# Altium PCB 11BRANMB10H_20170919.pcbdoc (part 1 of 7) (continued)
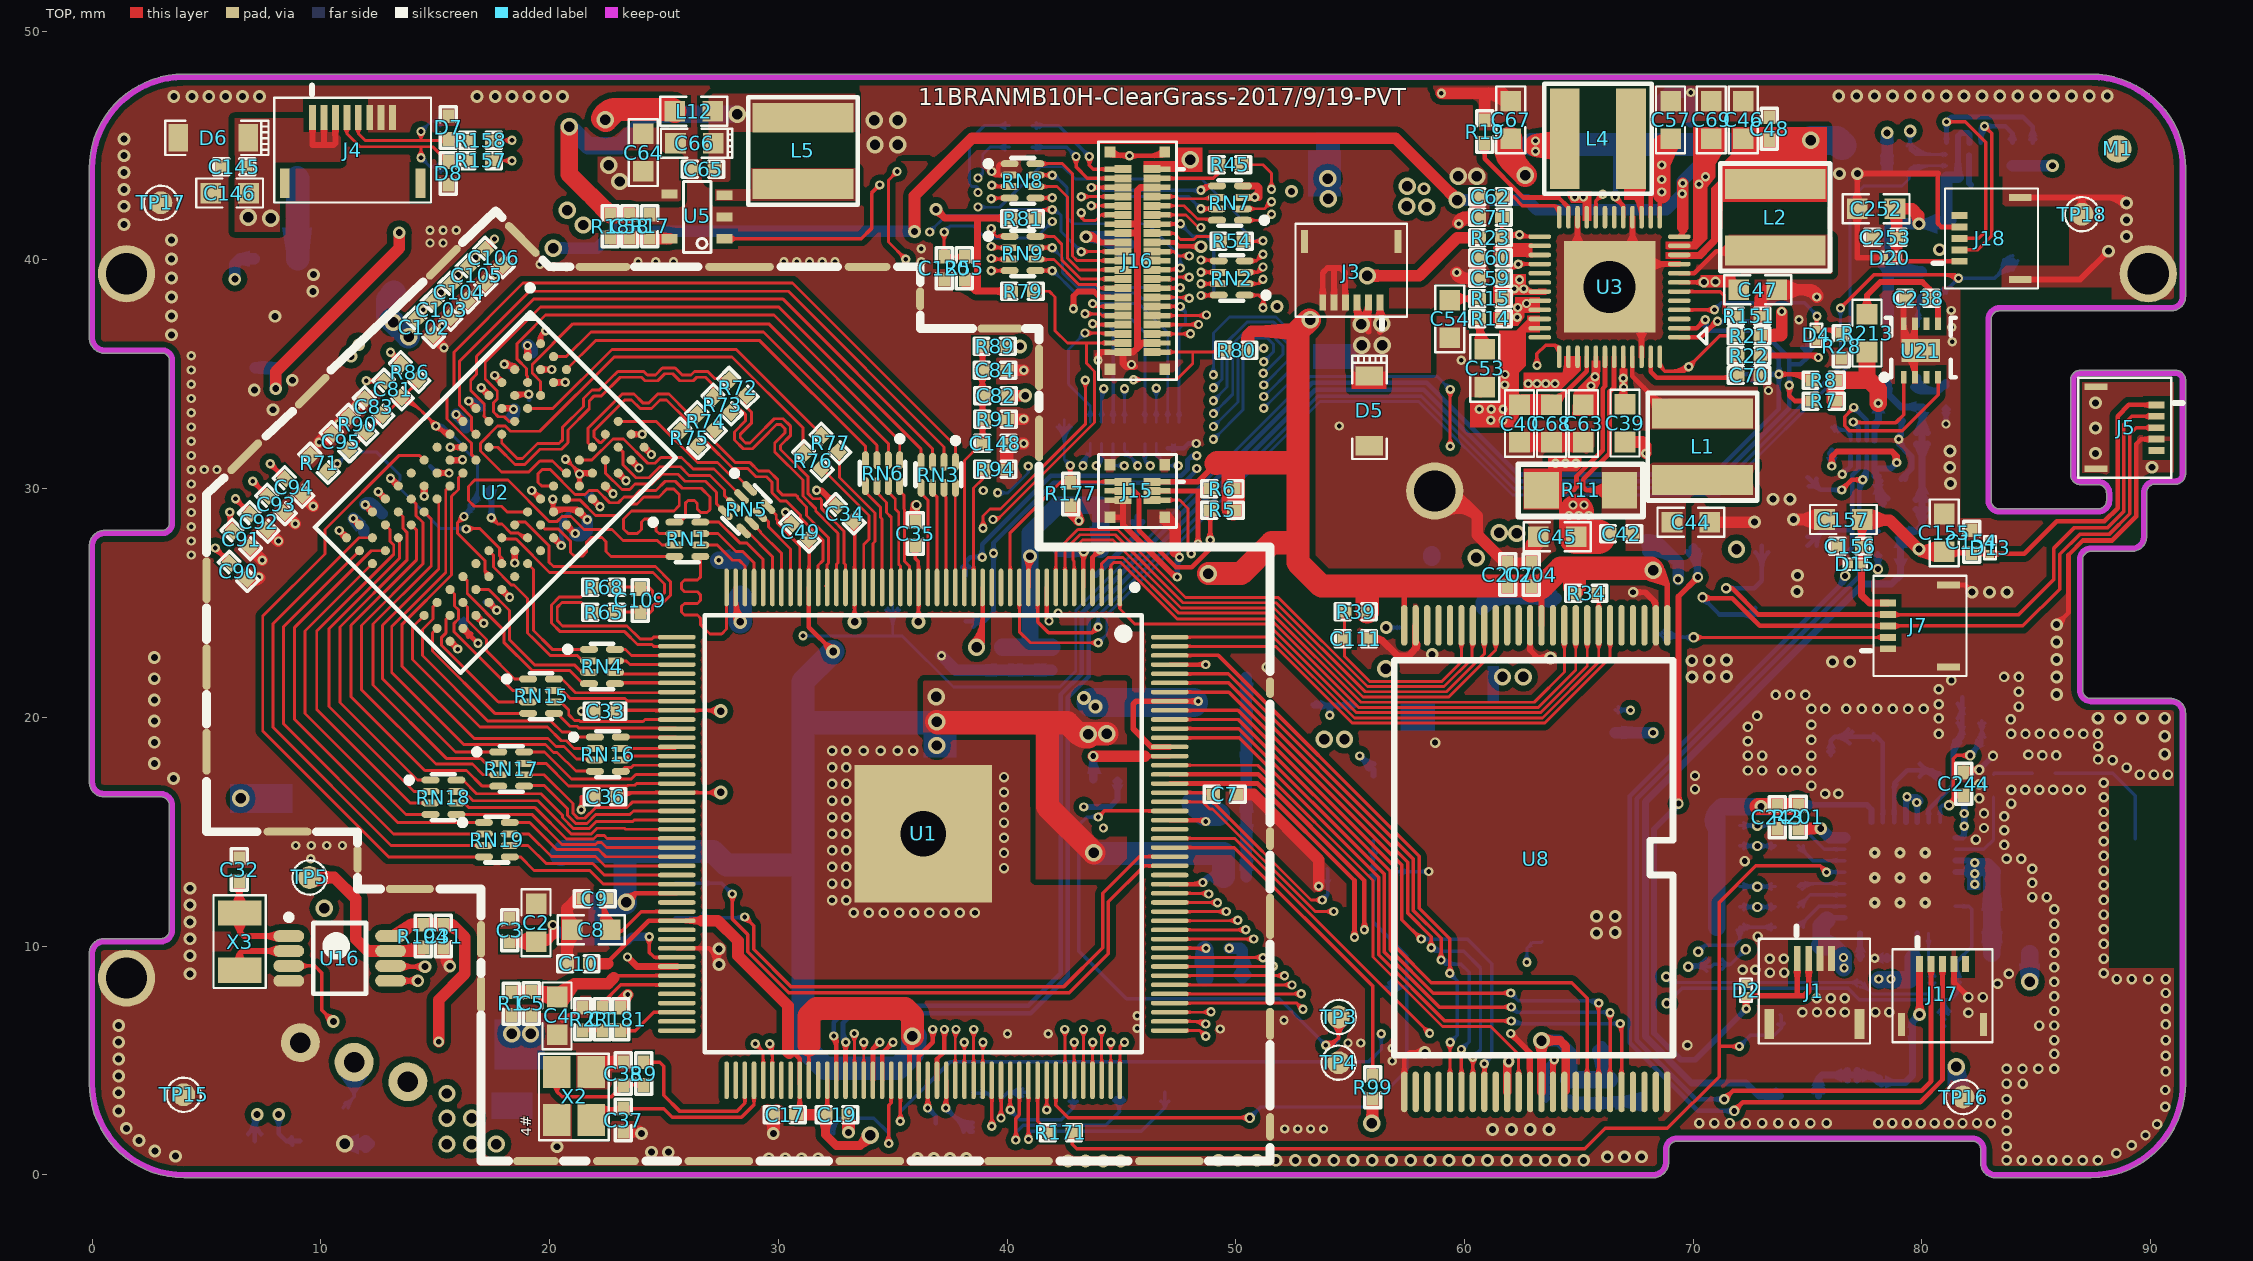
[diagram p0: TOP view]
## Components (designator, comment, footprint, x,y, rotation, side; value= is the part's Value field where it differs from the comment) (continued)
R21 "47K" R_0402 72.439,36.683 r0 top
R22 "1K" R_0402 72.439,35.817 r0 top
R23 "47K" R_0402 61.136,40.978 r180 top
R28 "510R" R_0402 76.47,36.22 r270 top
R32 "NC/0R-1%" R_0402 64.057,4.148 r180 bottom
R34 "10K" R_0402 65.327,25.421 r0 top
R35 "NC/0R-1%" R_0402 64.057,3.259 r0 bottom
R39 "10K" R_0402 55.253,24.608 r180 top
R44 "33R" R_0402 40.601,45.872 r180 bottom
R45 "33R" R_0402 49.746,44.164 r0 top
R46 "33R" R_0402 40.601,44.933 r180 bottom
R50 "5R-1%" R_0402 60.794,24.155 r90 bottom
R54 "33R" R0402 49.822,40.811 r0 top
R55 "10K" R_0402 38.138,39.643 r270 top
R65 "24R-1%" R_0402 22.355,24.604 r180 top
R68 "24R-1%" R_0402 22.355,25.696 r180 top
R71 "240R-1%" R_0402 9.919,31.113 r315 top
R72 "24R-1%" R_0402 28.233,34.415 r135 top
R73 "24R-1%" R_0402 27.547,33.678 r135 top
R74 "24R-1%" R_0402 26.836,32.916 r135 top
R75 "24R-1%" R_0402 26.099,32.205 r135 top
R76 "24R-1%" R_0402 31.509,31.215 r135 top
R77 "24R-1%" R_0402 32.271,31.977 r135 top
R79 "10K" R_0402 40.678,38.633 r0 top
R80 "10K" R_0402 50.025,36.061 r180 top
R81 "10K" R_0402 40.678,41.808 r0 top
R86 "2K-1%" R_0402 13.882,35.101 r135 top
R89 "2K-1%" R_0402 39.458,36.227 r0 top
R90 "2K-1%" R_0402 11.596,32.815 r315 top
R91 "2K-1%" R_0402 39.494,33.042 r180 top
R94 "240R-1%" R_0402 39.485,30.859 r180 top
R99 "10K" R_0402 55.98,3.831 r270 top
R129 "10K" R_0402 78.981,43.942 r0 bottom
R130 "10K" R_0402 78.981,44.852 r0 bottom
R131 "10K" R_0402 66.597,19.833 r90 bottom
R151 "0R" R_0402 72.439,37.549 r180 top
R155 "12K-1%" R_0402 82.118,20.701 r180 bottom
R156 "0R-1%" R_0402 83.134,16.916 r90 bottom
R157 "0R" R_0402 16.98,44.342 r0 top
R158 "0R" R_0402 16.98,45.231 r0 top
R160 "0R-1%" R_0603' 89.8,10.4 r270 bottom
R168 "200R-1%" R_0402 74.09,10.828 r0 bottom
R169 "200R-1%" R_0402 74.09,11.717 r0 bottom
R170 "200R-1%" R_0402 74.09,12.606 r0 bottom
R171 "200R-1%" R_0402 42.354,1.829 r0 top
R172 "200R-1%" R_0402 74.09,14.384 r0 bottom
R173 "200R-1%" R_0402 74.215,15.279 r0 bottom
R176 "0R-1%" R_0603 83.883,9.677 r180 bottom
R177 "1K-1%" R_0402 42.786,29.769 r270 top
R178 "NC/100R-1%" R_0402 11.454,2.771 r160 bottom
R179 "10K-1%" R_0402 71.539,12.606 r0 bottom
R180 "100K-1%" R_0402 82.054,8.534 r0 bottom
R181 "100K" R_0402 23.105,6.807 r90 top
R188 "200K-1%" R_0402 52.895,20.549 r0 bottom
R189 "1.8M-1%" R_0402 55.664,20.523 r0 bottom
R190 "100K-1%" R_0402 56.553,13.229 r0 bottom
R194 "10K" R_0402 14.465,10.439 r90 top
R195 "0R-1%" R_0603 79.133,29.312 r0 bottom
R196 "10K-1%" R_0402 78.6,28.143 r180 bottom
R197 "10K-1%" R_0402 78.574,27.178 r180 bottom
R198 "0R-1%" R_0603 74.651,3.454 r180 bottom
R199 "10K-1%" R_0402 79.971,38.989 r270 bottom
R200 "0R-1%" R_0402 79.946,8.534 r0 bottom
R201 "0R-1%" R_0402 74.587,15.646 r270 top
R202 "20K-1%" R_0402 82.118,19.863 r180 bottom
R203 "0R-1%" R_0402 77.304,8.941 r90 bottom
R204 "0R-1%" R_0402 74.22,16.159 r180 bottom
R205 "10K-1%" R_0402 71.538,15.273 r180 bottom
R206 "10K-1%" R_0402 71.538,14.384 r180 bottom
R207 "10K-1%" R_0402 71.538,11.717 r180 bottom
R208 "10K-1%" R_0402 71.538,10.828 r180 bottom
R209 "10K-1%" R_0402 76.06,32.182 r270 bottom
R210 "100K-1%" R_0402 80.886,38.989 r90 bottom
R213 "0R-1%" R_0603 77.6,36.8 r90 top
RN1 "24R*4" RCA50-8/3 26.023,27.786 r0 top
RN2 "100R*4" RCA50-8/3 49.822,39.211 r180 top
RN3 "24R*4" RCA50-8/3 36.996,30.605 r270 top
RN4 "33R*4" RCA50-8/3 22.289,22.223 r0 top
RN5 "24R*4" RCA50-8/3 28.614,29.081 r315 top
RN6 "24R*4" RCA50-8/3 34.557,30.681 r270 top
RN7 "100R*4" RCA50-8/3 49.746,42.488 r180 top
RN8 "100R*4" RCA50-8/3 40.678,43.459 r0 top
RN9 "100R*4" RCA50-8/3 40.678,40.284 r0 top
RN10 "100R*4" RCA50-8/3 46.774,32.339 r90 bottom
RN11 "100R*4" RCA50-8/3 44.386,32.339 r90 bottom
RN15 "33R*4" RCA50-8/3 19.622,20.928 r0 top
RN16 "33R*4" RCA50-8/3 22.545,18.391 r0 top
RN17 "33R*4" RCA50-8/3 18.317,17.742 r0 top
RN18 "33R*4" RCA50-8/3 15.355,16.508 r0 top
RN19 "33R*4" RCA50-8/3 17.692,14.654 r0 top
TP2 "Test Point" TESTPOINT1 84,40 r270 bottom
TP3 "Test Point" TESTPOINT1 54.5,6.9 r90 top
TP4 "Test Point" TESTPOINT1 54.5,4.9 r90 top
TP5 "32K" TESTPOINT2 9.5,13 r90 top
TP6 "Test Point" TESTPOINT2 75,36.5 r270 bottom
TP7 "Test Point" TESTPOINT2 72.3,35 r90 bottom
TP8 "Test Point" TESTPOINT2 76.5,44.977 r90 bottom
TP9 "Test Point" TESTPOINT2 20.5,14 r90 bottom
TP10 "Test Point" TESTPOINT2 18.63,2.997 r90 bottom
TP11 "Test Point" TESTPOINT2 73,45 r90 bottom
TP12 "Test Point" TESTPOINT2 78.5,40 r90 bottom
TP13 "Test Point" TESTPOINT2 63.7,28.2 r90 bottom
TP14 "Test Point" TESTPOINT2 56.5,8.2 r270 bottom
TP15 "Test Point" TESTPOINT2 4,3.5 r90 top
TP16 "Test Point" TESTPOINT2 81.8,3.4 r90 top
TP17 "Test Point" TESTPOINT2 3,42.5 r270 top
TP18 "Test Point" TESTPOINT2 87,42 r270 top
TP19 "Test Point" TESTPOINT2 4,7.677 r90 bottom
TP20 "Test Point" TESTPOINT2 79.8,3.4 r90 bottom
TP21 "Test Point" TESTPOINT2 3,44.5 r90 bottom
TP22 "Test Point" TESTPOINT2 87,40 r270 bottom
TP23 "Test Point" TESTPOINT2 66,5.6 r270 bottom
TP24 "Test Point" TESTPOINT2 67.9,3.2 r270 bottom
TP25 "Test Point" TESTPOINT2 45.148,40.513 r90 bottom
TP26 "Test Point" TESTPOINT2 35,25 r270 bottom
TP27 "Test Point" TESTPOINT2 64,25.2 r270 bottom
TP28 "Test Point" TESTPOINT2 38.2,26.2 r270 bottom
TP29 "Test Point" TESTPOINT2 38.2,24.2 r270 bottom
TP30 "Test Point" TESTPOINT2 42.5,33 r270 bottom
TP31 "Test Point" TESTPOINT2 70,27.5 r270 bottom
TP32 "Test Point" TESTPOINT2 54,35.8 r270 bottom
TP33 "Test Point" TESTPOINT2 54,45 r270 bottom
TP34 "Test Point" TESTPOINT2 58,20 r270 bottom
TP35 "Test Point" TESTPOINT2 73,24.5 r270 bottom
TP36 "Test Point" TESTPOINT2 73,27.5 r90 bottom
TP37 "Test Point" TESTPOINT2 63.4,10.2 r90 bottom
TP38 "Test Point" TESTPOINT1 44.9,3.6 r90 bottom
TP39 "Test Point" TESTPOINT1 42.9,3.6 r90 bottom
TP40 "Test Point" TESTPOINT1 40.9,3.6 r90 bottom
TP41 "Test Point" TESTPOINT1 38.5,3.6 r90 bottom
TP42 "Test Point" TESTPOINT1 46.9,3.6 r90 bottom
TP43 "Test Point" TESTPOINT1 73.8,7 r90 bottom
TP44 "Test Point" TESTPOINT1 81,6.8 r90 bottom
TP45 "Test Point" TESTPOINT1 70.9,9.2 r90 bottom
TP46 "Test Point" TESTPOINT2 80,32.2 r90 bottom
TP47 "Test Point" TESTPOINT2 75,30.5 r90 bottom
TP48 "Test Point" TESTPOINT2 75,27.5 r270 bottom
TP49 "Test Point" TESTPOINT2 8,16.5 r270 bottom
TP50 "Test Point" TESTPOINT2 68,27.5 r270 bottom
TP51 "Test Point" TESTPOINT2 81.8,3.4 r90 bottom
TP52 "Test Point" TESTPOINT2 15.6,44.077 r270 bottom
TP53 "Test Point" TESTPOINT2 15.6,46.077 r270 bottom
TP54 "Test Point" TESTPOINT2 7.1,1.5 r270 bottom
TP55 "Test Point" TESTPOINT2 9.1,1.5 r270 bottom
TP56 "Test Point" TESTPOINT2 5.1,1.5 r270 bottom
TP57 "Test Point" TESTPOINT1 54.5,6.9 r270 bottom
TP85 "Test Point" TESTPOINT2 36.5,1.877 r270 bottom
TP86 "Test Point" TESTPOINT2 68.5,23.6 r270 bottom
TP87 "Test Point" TESTPOINT2 32,1.777 r270 bottom
TP88 "Test Point" TESTPOINT2 54,13.377 r270 bottom
TP89 "Test Point" TESTPOINT2 38.5,1.877 r270 bottom
U1 "R8" TQFP177P0_4 36.335,14.908 r270 top locked
U2 "DDR3-FBGA96" FBGA96C80P9X13 17.625,29.834 r315 top locked
U3 "AXP209" QFN48_6X6 66.343,38.819 r180 top locked
U4 "AP3410/SY8088" SOT-23-5 8.039,40.049 r270 bottom
U5 "AP3410/SY8088" SOT-23-5 27.648,41.878 r180 top
U7 "ESP8089" QFN32 79.043,12.987 r180 bottom locked
U8 "NAND FLASH X8" SSOP48 68.867,24.024 r270 top locked
U9 "SGM3756" TDFN-2*2-6L 58.381,23.927 r270 bottom
U10 "LIS2DH12" LGA-12 81.826,44.369 r270 bottom
U15 "SGM65501-ADJ" TSOT-23-6 56.97,16.03 r90 bottom
U16 "PCF8563/AT8563S" SO8N 10.819,9.46 r0 top
U19 "MAX8891EXK18+T" SC70 79.184,35.982 r270 bottom
U20 "TXS0102DQER" DQE 77.406,31.775 r180 bottom
U21 "STS30" DFN 79.952,36.041 r0 top
X1 "NC-XTAL3225-26M" XTAL/3225 79.4,17.702 r180 bottom
X2 "24M-18pF-3225-10PPM" XTAL/3225 21.817,2.395 r90 top
X3 "32.768K/12.5pF/±10ppm" 3215 6.45,10.197 r90 top

## Footprints (in the part's own frame and the unit in brackets; to place one, negate y for a bottom-side part, rotate by r counter-clockwise, add the part's x,y. Pads: shape width x height; smd on the part's side, far side on the other; paste and mask are expansions set on the pad)
0201#1 [mm]
  rect 0.35x0.35 smd: 1(-0.265,0) 2(0.265,0)
  silkscreen extent -0.51,-0.25 0.51,0.25, body extent -0.39,-0.25 0.39,0.25, height 0.3
0201#2 [mm]
  rect 0.23x0.3 smd: 1(-0.177,0) 2(0.178,0)
  silkscreen extent -0.46,-0.25 0.38,0.25
3215 [mm]
  rect 1.1x1.9 smd: 1(-1.25,0) 2(1.25,0)
  silkscreen extent -2.03,-1.14 2.03,1.14, body extent -1.9,-1.05 1.9,1.05, height 0.8
3216 [mm]
  rect 0.8x0.65 smd: 1(-1.7,-0.475) 3(-1.7,0.475)
  rect 0.8x1.6 smd: 2(1.7,0)
  rect 0.4x0.8 smd: 3(-1.5,0)
  silkscreen extent -2.54,-1.02 2.29,1.02, body extent -1.72,-0.85 1.72,0.85, height 0.7
503304-4240 [mm]
  rect 0.35x0.73 smd: 1(-4,0.635) 2(-4,-0.635) 3(-3.6,0.635) 4(-3.6,-0.635) 5(-3.2,0.635) 6(-3.2,-0.635) 7(-2.8,0.635) 8(-2.8,-0.635) 9(-2.4,0.635) 10(-2.4,-0.635) 11(-2,0.635) 12(-2,-0.635) 13(-1.6,0.635) 14(-1.6,-0.635) 15(-1.2,0.635) 16(-1.2,-0.635) 17(-0.8,0.635) 18(-0.8,-0.635) 19(-0.4,0.635) 20(-0.4,-0.635) 21(0,0.635) 22(0,-0.635) 23(0.4,0.635) 24(0.4,-0.635) 25(0.8,0.635) 26(0.8,-0.635) 27(1.2,0.635) 28(1.2,-0.635) 29(1.6,0.635) 30(1.6,-0.635) 31(2,0.635) 32(2,-0.635) 33(2.4,0.635) 34(2.4,-0.635) 35(2.8,0.635) 36(2.8,-0.635) 37(3.2,0.635) 38(3.2,-0.635) 39(3.6,0.635) 40(3.6,-0.635) 41(4,0.635) 42(4,-0.635)
  rect 0.24x0.45 smd paste+0: 1(-4,1.225) 3(-3.6,1.225) 5(-3.2,1.225) 7(-2.8,1.225) 8(-2.8,-1.225) 9(-2.4,1.225) 10(-2.4,-1.225) 11(-2,1.225) 12(-2,-1.225) 13(-1.6,1.225) 14(-1.6,-1.225) 15(-1.2,1.225) 16(-1.2,-1.225) 17(-0.8,1.225) 18(-0.8,-1.225) 19(-0.4,1.225) 20(-0.4,-1.225) 21(0,1.225) 22(0,-1.225) 23(0.4,1.225) 24(0.4,-1.225) 25(0.8,1.225) 26(0.8,-1.225) 27(1.2,1.225) 28(1.2,-1.225) 29(1.6,1.225) 30(1.6,-1.225) 31(2,1.225) 32(2,-1.225) 33(2.4,1.225) 34(2.4,-1.225) 35(2.8,1.225) 36(2.8,-1.225) 37(3.2,1.225) 38(3.2,-1.225) 39(3.6,1.225) 40(3.6,-1.225) 41(4,1.225) 42(4,-1.225)
  rect 0.24x0.45 smd: 2(-4,-1.225) 4(-3.6,-1.225) 6(-3.2,-1.225)
  rect 0.5x0.47 smd: 43(-4.75,1.195) 44(4.75,1.195) 45(-4.75,-1.195) 46(4.75,-1.195)
  silkscreen extent -5.2,-1.7 5.21,2.03, body extent -5.1,-1.55 5.1,1.55, height 0.68
503480-0500 [mm]
  rect 0.7x0.3 smd: 1(1.325,1) 2(1.325,0.5) 3(1.325,0) 4(1.325,-0.5) 5(1.325,-1)
  rect 1x0.3 smd: 6(-1.325,1.79) 7(-1.325,-1.79)
  silkscreen extent -2.1,-2.19 2.47,2.19, body extent -1.93,-2.04 1.78,2.04, height 1
503480-0600 [mm]
  rect 0.7x0.3 smd: 1(1.325,1.25) 2(1.325,0.75) 3(1.325,0.25) 4(1.325,-0.25) 5(1.325,-0.75) 6(1.325,-1.25)
  rect 1x0.3 smd: 7(-1.325,2.04) 8(-1.325,-2.04)
  silkscreen extent -2.1,-2.44 2.47,2.44, body extent -1.93,-2.29 1.78,2.29, height 1
503480-0620 [mm]
  rect 0.24x0.45 smd paste+0: 1(-0.4,1.225) 3(0,1.225) 5(0.4,1.225)
  rect 0.35x0.73 smd: 1(-0.4,0.635) 2(-0.4,-0.635) 3(0,0.635) 4(0,-0.635) 5(0.4,0.635) 6(0.4,-0.635)
  rect 0.24x0.45 smd: 2(-0.4,-1.225) 4(0,-1.225) 6(0.4,-1.225)
  rect 0.5x0.47 smd: 7(-1.15,1.195) 8(1.15,1.195) 9(-1.15,-1.195) 10(1.15,-1.195)
  silkscreen extent -1.6,-1.7 1.6,2.03, body extent -1.5,-1.55 1.5,1.55, height 0.68
BL-5C [mm]
  round 1.7 hole 0.9: 1(-2.5,0) 2(0,0) 3(2.5,0)
  silkscreen extent -5.1,-1.5 5.1,6.7, body extent -5.14,-0.95 5.14,6.67, height 4.2
C0402 [mm]
  rect 0.6x0.5 smd: 1(-0.5,0) 2(0.5,0)
  silkscreen extent -0.9,-0.35 0.9,0.35, body extent -0.51,-0.25 0.51,0.25, height 0.5
C_0402 [mm]
  rect 0.6x0.5 smd: 1(-0.5,0) 2(0.5,0)
  silkscreen extent -0.9,-0.35 0.9,0.35, body extent -0.51,-0.25 0.51,0.25, height 0.5
C_0603 [mm]
  rect 0.9x0.9 smd: 1(-0.826,0) 2(0.826,0)
  silkscreen extent -1.46,-0.64 1.46,0.64, body extent -1.38,-0.55 1.38,0.55, height 0.9
CD32 [mm]
  rect 1.3x4.4 smd: 1(-1.45,0) 2(1.45,0)
  silkscreen extent -2.35,-2.4 2.35,2.4, body extent -1.92,-2.1 2.27,2.1, height 1.8
DFN [mm]
  rect 0.25x0.55 smd: 1(-0.75,-1.175) 2(-0.25,-1.175) 3(0.25,-1.175) 4(0.75,-1.175) 5(0.75,1.175) 6(0.25,1.175) 7(-0.25,1.175) 8(-0.75,1.175)
  rect 1.7x1 smd: 9(0,0)
  silkscreen extent -1.72,-1.3 1.53,1.43, body extent -1.48,-1.55 1.51,1.55, height 1
DQE [mm]
  rect 0.2x0.53 smd: 1(-0.525,-0.335) 2(-0.175,-0.335) 3(0.175,-0.335) 4(0.525,-0.335) 5(0.525,0.335) 6(0.175,0.335) 7(-0.175,0.335) 8(-0.525,0.335)
  silkscreen extent -1.23,-0.76 0.8,0.76
ESD_0402 [mm]
  rect 0.6x0.5 smd: 1(-0.5,0) 2(0.5,0)
  silkscreen extent -0.9,-0.35 0.9,0.35, body extent -0.51,-0.25 0.51,0.25, height 0.5
FBGA96C80P9X13 [mm]
  round 0.4 smd: A1(-3.2,6) A2(-2.4,6) A3(-1.6,6) A7(1.6,6) A8(2.4,6) A9(3.2,6) B1(-3.2,5.2) B2(-2.4,5.2) B3(-1.6,5.2) B7(1.6,5.2) B8(2.4,5.2) B9(3.2,5.2) C1(-3.2,4.4) C2(-2.4,4.4) C3(-1.6,4.4) C7(1.6,4.4) C8(2.4,4.4) C9(3.2,4.4) D1(-3.2,3.6) D2(-2.4,3.6) D3(-1.6,3.6) D7(1.6,3.6) D8(2.4,3.6) D9(3.2,3.6) E1(-3.2,2.8) E2(-2.4,2.8) E3(-1.6,2.8) E7(1.6,2.8) E8(2.4,2.8) E9(3.2,2.8) F1(-3.2,2) F2(-2.4,2) F3(-1.6,2) F7(1.6,2) F8(2.4,2) F9(3.2,2) G1(-3.2,1.2) G2(-2.4,1.2) G3(-1.6,1.2) G7(1.6,1.2) G8(2.4,1.2) G9(3.2,1.2) H1(-3.2,0.4) H2(-2.4,0.4) H3(-1.6,0.4) H7(1.6,0.4) H8(2.4,0.4) H9(3.2,0.4) J1(-3.2,-0.4) J2(-2.4,-0.4) J3(-1.6,-0.4) J7(1.6,-0.4) J8(2.4,-0.4) J9(3.2,-0.4) K1(-3.2,-1.2) K2(-2.4,-1.2) K3(-1.6,-1.2) K7(1.6,-1.2) K8(2.4,-1.2) K9(3.2,-1.2) L1(-3.2,-2) L2(-2.4,-2) L3(-1.6,-2) L7(1.6,-2) L8(2.4,-2) L9(3.2,-2) M1(-3.2,-2.8) M2(-2.4,-2.8) M3(-1.6,-2.8) M7(1.6,-2.8) M8(2.4,-2.8) M9(3.2,-2.8) N1(-3.2,-3.6) N2(-2.4,-3.6) N3(-1.6,-3.6) N7(1.6,-3.6) N8(2.4,-3.6) N9(3.2,-3.6) P1(-3.2,-4.4) P2(-2.4,-4.4) P3(-1.6,-4.4) P7(1.6,-4.4) P8(2.4,-4.4) P9(3.2,-4.4) R1(-3.2,-5.2) R2(-2.4,-5.2) R3(-1.6,-5.2) R7(1.6,-5.2) R8(2.4,-5.2) R9(3.2,-5.2) T1(-3.2,-6) T2(-2.4,-6) T3(-1.6,-6) T7(1.6,-6) T8(2.4,-6) T9(3.2,-6)
  silkscreen extent -5.38,-6.65 4.5,7.52, body extent -3.5,-6.3 3.5,6.3, height 1
FPC_CON4-KYOCERA [mm] "厂?"
  rect 1.1x0.3 smd: 1(1.435,0.75) 2(1.435,0.25) 3(1.435,-0.25) 4(1.435,-0.75)
  rect 1.3x0.42 smd: 5(-1.435,1.97) 6(-1.435,-1.97)
  silkscreen extent -2.29,-2.43 2.83,2.43, body extent -2.19,-2.28 2.09,2.28, height 1
FPC_CON8-KYOCERA [mm] "厂?"
  rect 1.1x0.3 smd: 1(1.435,1.75) 2(1.435,1.25) 3(1.435,0.75) 4(1.435,0.25) 5(1.435,-0.25) 6(1.435,-0.75) 7(1.435,-1.25) 8(1.435,-1.75)
  rect 1.3x0.42 smd: 9(-1.435,2.97) 10(-1.435,-2.97)
  silkscreen extent -2.29,-3.43 2.83,3.43, body extent -2.19,-3.28 2.09,3.28, height 1
L_0603 [mm]
  rect 0.9x0.9 smd: 1(-0.826,0) 2(0.826,0)
  silkscreen extent -1.46,-0.64 1.46,0.64, body extent -1.38,-0.55 1.38,0.55, height 0.9
LGA-12 [mm]
  rect 0.275x0.25 smd: 1(-0.75,0.75) 2(-0.75,0.25) 3(-0.75,-0.25) 4(-0.75,-0.75) 7(0.75,-0.75) 8(0.75,-0.25) 9(0.75,0.25) 10(0.75,0.75)
  rect 0.25x0.275 smd: 5(-0.25,-0.75) 6(0.25,-0.75) 11(0.25,0.75) 12(-0.25,0.75)
  silkscreen extent -1.14,-1.14 1.14,1.52, body extent -0.99,-0.99 0.99,0.99, height 1.2
MARK_POINT#1 [mm]
  round 1.2 smd: 4(0,0)
  round 4.064 on Top Solder: 5(0,0)
MARK_POINT#2 [mm]
  round 1.2 smd: 4(0,0)
  round 4.064 on Bottom Solder: 5(0,0)
PROGRAM_1/2 [mm]
  rect 1.1x2 smd: 1(0,0.95)
  rect 1.1x0.8 smd: 2(0,-0.95)
  silkscreen extent -0.76,-1.52 0.76,2.39, body extent -0.65,-1.45 0.65,2.05, height 0.8
QFN32 [mm] "QFN, 32-Leads, Body 5.00x5.00mm, Pitch 0.50mm, Thermal Pad 3.70x3.70mm, IPC Medium Density"
  oval 0.8x0.25 smd: 1(-2.425,1.75) 2(-2.425,1.25) 3(-2.425,0.75) 4(-2.425,0.25) 5(-2.425,-0.25) 6(-2.425,-0.75) 7(-2.425,-1.25) 8(-2.425,-1.75) 17(2.425,-1.75) 18(2.425,-1.25) 19(2.425,-0.75) 20(2.425,-0.25) 21(2.425,0.25) 22(2.425,0.75) 23(2.425,1.25) 24(2.425,1.75)
  oval 0.25x0.8 smd: 9(-1.75,-2.425) 10(-1.25,-2.425) 11(-0.75,-2.425) 12(-0.25,-2.425) 13(0.25,-2.425) 14(0.75,-2.425) 15(1.25,-2.425) 16(1.75,-2.425) 25(1.75,2.425) 26(1.25,2.425) 27(0.75,2.425) 28(0.25,2.425) 29(-0.25,2.425) 30(-0.75,2.425) 31(-1.25,2.425) 32(-1.75,2.425)
  rect 3.6x3.6 smd: 33(0,0)
  silkscreen extent -3.45,-2.68 2.68,2.67, body extent -2.52,-2.53 2.53,2.52, height 0.8
QFN48_6X6 [mm]
  oval 1x0.2 smd: 1(-3.05,2.2) 2(-3.05,1.8) 3(-3.05,1.4) 4(-3.05,1) 5(-3.05,0.6) 6(-3.05,0.2) 7(-3.05,-0.2) 8(-3.05,-0.6) 9(-3.05,-1) 10(-3.05,-1.4) 11(-3.05,-1.8) 12(-3.05,-2.2) 25(3.05,-2.2) 26(3.05,-1.8) 27(3.05,-1.4) 28(3.05,-1) 29(3.05,-0.6) 30(3.05,-0.2) 31(3.05,0.2) 32(3.05,0.6) 33(3.05,1) 34(3.05,1.4) 35(3.05,1.8) 36(3.05,2.2)
  oval 0.2x1 smd: 13(-2.2,-3.05) 14(-1.8,-3.05) 15(-1.4,-3.05) 16(-1,-3.05) 17(-0.6,-3.05) 18(-0.2,-3.05) 19(0.2,-3.05) 20(0.6,-3.05) 21(1,-3.05) 22(1.4,-3.05) 23(1.8,-3.05) 24(2.2,-3.05) 37(2.2,3.05) 38(1.8,3.05) 39(1.4,3.05) 40(1,3.05) 41(0.6,3.05) 42(0.2,3.05) 43(-0.2,3.05) 44(-0.6,3.05) 45(-1,3.05) 46(-1.4,3.05) 47(-1.8,3.05) 48(-2.2,3.05)
  rect 4x4 / inner round 3.048 / far side round 3.048 hole 2.286: 49(0,0)
  silkscreen extent -4.24,1.8 -3.89,2.49, body extent -3.65,-3.65 3.65,3.65, height 0.8
R0402 [mm]
  rect 0.6x0.5 smd: 1(-0.5,0) 2(0.5,0)
  silkscreen extent -0.9,-0.35 0.9,0.35, body extent -0.51,-0.25 0.51,0.25, height 0.5
R_0402 [mm]
  rect 0.6x0.5 smd: 1(-0.5,0) 2(0.5,0)
  silkscreen extent -0.9,-0.35 0.9,0.35, body extent -0.51,-0.25 0.51,0.25, height 0.5
R_0603 [mm]
  rect 0.9x0.9 smd: 1(-0.826,0) 2(0.826,0)
  silkscreen extent -1.46,-0.64 1.46,0.64, body extent -1.38,-0.55 1.38,0.55, height 0.9
R_0603' [mm]
  rect 0.9x0.9 smd: 1(-0.826,0) 2(0.826,0)
  silkscreen extent 0.32,-0.64 1.46,0.63, body extent -1.38,-0.55 1.38,0.55, height 0.9
R_1206 [mm]
  rect 1.52x1.6 smd: 1(1.71,0) 2(-1.71,0)
  silkscreen extent -2.73,-1.14 2.73,1.14, body extent -2.57,-0.9 2.57,0.9, height 0.9
RCA50-8/3 [mil]
  oval 31x12 smd: 1(-22.23,29.53) 2(-22.23,9.84) 3(-22.23,-9.84) 4(-22.23,-29.53) 5(22.25,-29.53) 6(22.25,-9.84) 7(22.25,9.84) 8(22.25,29.53)
  silkscreen extent -64,-39 20,39, body extent -42,-40 42,40, height 12
SC70 [mm]
  rect 0.9x0.4 smd: 1(-1.125,0.65) 2(-1.125,0) 3(-1.125,-0.65) 4(1.125,-0.65) 5(1.125,0.65)
  silkscreen extent -1.78,-1.1 1.78,1.65, body extent -0.67,-1.1 0.67,1.1, height 1.1
SO8N [mm] "TSOP, 8-Leads, Body 3.00x3.00mm, Pitch 0.65mm, IPC Medium Density"
  oval 1.35x0.52 smd: 1(-2.225,0.975) 2(-2.225,0.325) 3(-2.225,-0.325) 4(-2.225,-0.975) 5(2.225,-0.975) 6(2.225,-0.325) 7(2.225,0.325) 8(2.225,0.975)
  silkscreen extent -2.35,-1.55 1.15,1.92, body extent -1.55,-1.55 1.55,1.55, height 1.1
SOD-123 [mm]
  rect 0.85x1.2 smd: 1(1.525,0) 2(-1.525,0)
  silkscreen extent -2.1,-0.75 2.41,0.75, body extent -2.05,-0.7 2.05,0.7, height 0.8
SOT-23-5 [mm]
  rect 0.7x0.4 smd: 1(0,0.95) 2(0,0) 3(0,-0.95) 4(2.4,-1) 5(2.4,0.95)
  silkscreen extent 0.6,-1.55 1.8,1.55, body extent -0.45,-1.3 2.85,1.25, height 1.25
SSOP48 [mm]
  oval 1.778x0.275 smd: 1(0,0) 2(0,-0.5) 3(0,-1) 4(0,-1.5) 5(0,-2) 6(0,-2.5) 7(0,-3) 8(0,-3.5) 9(0,-4) 10(0,-4.5) 11(0,-5) 12(0,-5.5) 13(0,-6) 14(0,-6.5) 15(0,-7) 16(0,-7.5) 17(0,-8) 18(0,-8.5) 19(0,-9) 20(0,-9.5) 21(0,-10) 22(0,-10.5) 23(0,-11) 24(0,-11.5) 25(20.4,-11.5) 26(20.4,-11) 27(20.4,-10.5) 28(20.4,-10) 29(20.4,-9.5) 30(20.4,-9) 31(20.4,-8.5) 32(20.4,-8) 33(20.4,-7.5) 34(20.4,-7) 35(20.4,-6.5) 36(20.4,-6) 37(20.4,-5.5) 38(20.4,-5) 39(20.4,-4.5) 40(20.4,-4) 41(20.4,-3.5) 42(20.4,-3) 43(20.4,-2.5) 44(20.4,-2) 45(20.4,-1.5) 46(20.4,-1) 47(20.4,-0.5) 48(20.4,0)
  silkscreen extent 1.52,-11.94 18.8,0.25, body extent -0.99,-11.74 21.39,0.24, height 1.2
TAN_0603 [mm]
  rect 0.9x0.9 smd: 1(-0.826,0) 2(0.826,0)
  silkscreen extent -1.65,-0.64 1.46,0.64, body extent -1.38,-0.55 1.38,0.55, height 0.9
TDFN-2*2-6L [mm]
  rect 0.24x0.65 smd: 1(-0.65,-0.975) 2(0,-0.975) 3(0.65,-0.975) 4(0.65,0.975) 5(0,0.975) 6(-0.65,0.975)
  rect 1.4x0.8 smd: 7(0,0)
  silkscreen extent -0.89,-1.76 0.89,1.4
TESTPOINT1 [mm]
  round 1 smd: 1(0,0)
  silkscreen extent -0.75,-0.75 0.75,0.75, body extent -0.6,-0.6 0.6,0.6, height 0.1
TESTPOINT2 [mm]
  round 1 smd: 1(0,0)
  silkscreen extent -0.75,-0.75 0.75,0.75, body extent -0.6,-0.6 0.6,0.6, height 0.1
TQFP177P0_4 [mm]
  oval 1.65x0.2 smd: 1(-10.775,8.6) 2(-10.775,8.2) 3(-10.775,7.8) 4(-10.775,7.4) 5(-10.775,7) 6(-10.775,6.6) 7(-10.775,6.2) 8(-10.775,5.8) 9(-10.775,5.4) 10(-10.775,5) 11(-10.775,4.6) 12(-10.775,4.2) 13(-10.775,3.8) 14(-10.775,3.4) 15(-10.775,3) 16(-10.775,2.6) 17(-10.775,2.2) 18(-10.775,1.8) 19(-10.775,1.4) 20(-10.775,1) 21(-10.775,0.6) 22(-10.775,0.2) 23(-10.775,-0.2) 24(-10.775,-0.6) 25(-10.775,-1) 26(-10.775,-1.4) 27(-10.775,-1.8) 28(-10.775,-2.2) 29(-10.775,-2.6) 30(-10.775,-3) 31(-10.775,-3.4) 32(-10.775,-3.8) 33(-10.775,-4.2) 34(-10.775,-4.6) 35(-10.775,-5) 36(-10.775,-5.4) 37(-10.775,-5.8) 38(-10.775,-6.2) 39(-10.775,-6.6) 40(-10.775,-7) 41(-10.775,-7.4) 42(-10.775,-7.8) 43(-10.775,-8.2) 44(-10.775,-8.6) 89(10.775,-8.6) 90(10.775,-8.2) 91(10.775,-7.8) 92(10.775,-7.4) 93(10.775,-7) 94(10.775,-6.6) 95(10.775,-6.2) 96(10.775,-5.8) 97(10.775,-5.4) 98(10.775,-5) 99(10.775,-4.6) 100(10.775,-4.2) 101(10.775,-3.8) 102(10.775,-3.4) 103(10.775,-3) 104(10.775,-2.6) 105(10.775,-2.2) 106(10.775,-1.8) 107(10.775,-1.4) 108(10.775,-1) 109(10.775,-0.6) 110(10.775,-0.2) 111(10.775,0.2) 112(10.775,0.6) 113(10.775,1) 114(10.775,1.4) 115(10.775,1.8) 116(10.775,2.2) 117(10.775,2.6) 118(10.775,3) 119(10.775,3.4) 120(10.775,3.8) 121(10.775,4.2) 122(10.775,4.6) 123(10.775,5) 124(10.775,5.4) 125(10.775,5.8) 126(10.775,6.2) 127(10.775,6.6) 128(10.775,7) 129(10.775,7.4) 130(10.775,7.8) 131(10.775,8.2) 132(10.775,8.6)
  oval 0.2x1.65 smd: 45(-8.6,-10.775) 46(-8.2,-10.775) 47(-7.8,-10.775) 48(-7.4,-10.775) 49(-7,-10.775) 50(-6.6,-10.775) 51(-6.2,-10.775) 52(-5.8,-10.775) 53(-5.4,-10.775) 54(-5,-10.775) 55(-4.6,-10.775) 56(-4.2,-10.775) 57(-3.8,-10.775) 58(-3.4,-10.775) 59(-3,-10.775) 60(-2.6,-10.775) 61(-2.2,-10.775) 62(-1.8,-10.775) 63(-1.4,-10.775) 64(-1,-10.775) 65(-0.6,-10.775) 66(-0.2,-10.775) 67(0.2,-10.775) 68(0.6,-10.775) 69(1,-10.775) 70(1.4,-10.775) 71(1.8,-10.775) 72(2.2,-10.775) 73(2.6,-10.775) 74(3,-10.775) 75(3.4,-10.775) 76(3.8,-10.775) 77(4.2,-10.775) 78(4.6,-10.775) 79(5,-10.775) 80(5.4,-10.775) 81(5.8,-10.775) 82(6.2,-10.775) 83(6.6,-10.775) 84(7,-10.775) 85(7.4,-10.775) 86(7.8,-10.775) 87(8.2,-10.775) 88(8.6,-10.775) 133(8.6,10.775) 134(8.2,10.775) 135(7.8,10.775) 136(7.4,10.775) 137(7,10.775) 138(6.6,10.775) 139(6.2,10.775) 140(5.8,10.775) 141(5.4,10.775) 142(5,10.775) 143(4.6,10.775) 144(4.2,10.775) 145(3.8,10.775) 146(3.4,10.775) 147(3,10.775) 148(2.6,10.775) 149(2.2,10.775) 150(1.8,10.775) 151(1.4,10.775) 152(1,10.775) 153(0.6,10.775) 154(0.2,10.775) 155(-0.2,10.775) 156(-0.6,10.775) 157(-1,10.775) 158(-1.4,10.775) 159(-1.8,10.775) 160(-2.2,10.775) 161(-2.6,10.775) 162(-3,10.775) 163(-3.4,10.775) 164(-3.8,10.775) 165(-4.2,10.775) 166(-4.6,10.775) 167(-5,10.775) 168(-5.4,10.775) 169(-5.8,10.775) 170(-6.2,10.775) 171(-6.6,10.775) 172(-7,10.775) 173(-7.4,10.775) 174(-7.8,10.775) 175(-8.2,10.775) 176(-8.6,10.775)
  rrect0% 6x6 hole 2: 177(0,0)
  silkscreen extent -10.9,-9.55 9.55,9.55, body extent -11.7,-11.7 11.7,11.7, height 1.6
TSOT-23-6 [mil]
  rect 50x25 smd: 1(-56,37.4) 2(-56,0) 3(-56,-37.4) 4(56,-37.4) 5(56,0) 6(56,37.4)
  silkscreen extent -25,-65 25,65, body extent -85,-54 85,54, height 39
WTB_SIDE_6PIN [mm]
  rect 0.7x2.7 smd: 1(1.95,-3.7) 2(3.45,-3.7) 3(4.95,-3.7) 4(6.45,-3.7) 5(7.95,-3.7) 6(9.45,-3.7)
  rect 1.1x1.9 smd: 7(0,0) 8(11.4,0)
  silkscreen extent -1,-5.2 12.4,1.95, body extent -0.65,-5.15 12.05,1.05, height 3.75
XTAL/3225 [mm]
  rect 1.4x1.2 smd: 1(0,0) 2(2.1,0) 3(2.1,1.5) 4(0,1.5)
  silkscreen extent -0.89,-0.76 2.9,2.29, body extent -0.8,-0.7 2.9,2.2, height 0.8

## Free pads (board coordinates)
  round 2.5 hole 1.8: 0(1.5,8.6) 0(1.5,39.4) 0(58.7,29.9) 0(89.9,39.4)
  oval 0.35x2 smd: 1(5,18.5) 1(5,22.2) 1(5,26) 1(41.4,32.2) 1(41.4,35.3) 1(51.5,11.3)
  oval 2x0.35 smd rot 45: 1(6.667,31.394) 1(9.614,34.264) 1(15.355,39.897)
  oval 2.1x0.35 smd: 1(8.54,15) 1(13.887,12.5)
  oval 0.35x1.2 smd: 1(11.6,13.8) 1(51.5,2.1)
  oval 0.35x1.6 smd: 1(17,7.9) 1(17,10.3)
  oval 2x0.35 smd rot 135: 1(18.801,40.897)
  oval 2x0.35 smd: 1(19.4,0.6) 1(22.9,0.6) 1(33.9,39.7) 1(39.7,37)
  oval 2.4x0.35 smd: 1(22.33,39.7)
  oval 3x0.35 smd: 1(27.4,0.6) 1(28.3,39.7) 1(34,0.6) 1(40.5,0.6) 1(47.1,0.6)
  oval 0.35x1 smd: 1(36.2,38.3) 1(51.5,14.7)
  oval 0.35x1.4 smd: 1(51.5,6.6)
  oval 0.35x0.9 smd: 1(51.5,21.3)
  oval 0.35x1.5 smd far side: 1(69.8,6.8)
  oval 0.35x2 smd far side: 1(69.8,11.3) 1(69.8,14.7)
  oval 1.4x0.35 smd far side: 1(72.3,16.9)
  oval 0.35x1.65 smd far side: 1(73.5,19.7)
  oval 3x0.35 smd far side: 1(74.2,5.3) 1(76.1,21.6) 1(83.8,5.3)
  oval 1.5x0.35 smd far side: 1(78.5,5.3)
  oval 0.8x0.35 smd far side: 1(82.6,21.6)
  oval 0.35x0.8 smd far side: 1(83.6,20.8)
  oval 0.9x0.35 smd far side: 1(85.8,20)
  oval 0.35x3 smd far side: 1(87.3,8.4) 1(87.3,14.9)

## Via types
v1: diameter 0.406, hole 0.203, TOP to BOTTOM, tented both sides, 427 vias
v2: diameter 0.457, hole 0.254, TOP to BOTTOM, tented both sides, 256 vias
v3: diameter 0.559, hole 0.305, TOP to BOTTOM, tented both sides, 192 vias
v4: diameter 0.762, hole 0.457, TOP to BOTTOM, tented both sides, 69 vias
v5: diameter 0.61, hole 0.33, TOP to BOTTOM, tented both sides, 11 vias
v6: diameter 0.5, hole 0.2, TOP to BOTTOM, 9 vias
v7: diameter 0.508, hole 0.254, TOP to BOTTOM, tented both sides, 1 vias

## Nets (pads, with @x,y where several pads share a name; then routed paths per layer and width w, separated by ;. In a path a pad name is that pad's centre, name@x,y a point inside that pad or via, vN(x,y) a via of type N, cw(c..) or ccw(c..) an arc to the next point about the centre after c; other vN are vias at no path point)
A0: RN17.4 U2.N3 | length 16.9
  TOP w0.127: U2.N3@13.948,28.419 14.186,28.181 14.186,26.897 11.316,24.026 11.316,20.902 14.542,17.676 16.371,17.676 17.055,16.992 RN17.4@17.752,16.992
A1: RN15.2 U2.P7 | length 6.4
  TOP w0.127: U2.P7@15.645,25.591 15.845,25.391 15.845,24.874 16.01,24.709 16.01,24.299 15.809,24.098 15.809,23.756 18.388,21.178 RN15.2@19.057,21.178
A2: RN18.2 U2.P3 | length 14.7
  TOP w0.127: U2.P3@13.382,27.854 13.436,27.8 13.436,26.959 10.351,23.874 10.351,20.47 14.063,16.758 RN18.2@14.79,16.758
A3: RN18.1 U2.N2 | length 15.1
  TOP w0.127: U2.N2@13.382,28.985 13.583,28.785 13.583,28.268 13.755,28.096 13.755,26.871 10.834,23.95 10.834,20.648 14.223,17.258 RN18.1@14.79,17.258
A4: RN15.1 U2.P8 | length 4.9
  TOP w0.127: U2.P8@16.21,25.025 16.411,24.825 16.411,24.233 17.233,23.411 17.233,22.91 18.465,21.678 RN15.1@19.057,21.678
A5: RN18.3 U2.P2 | length 16.3
  TOP w0.127: U2.P2@12.816,28.419 13.017,28.219 13.017,27.702 13.182,27.537 13.182,27.137 9.818,23.772 9.818,20.343 13.903,16.258 RN18.3@14.79,16.258
A6: RN15.3 U2.R8 | length 6.3
  TOP w0.127: U2.R8@15.645,24.46 15.46,24.275 15.46,23.683 15.264,23.486 15.264,23.17 15.605,22.829 17.756,20.678 RN15.3@19.057,20.678
A7: RN19.3 U2.R2 | length 21.8
  TOP w0.127: U2.R2@12.251,27.854 11.664,27.854 7.913,24.103 7.913,19.556 13.064,14.404 RN19.3@17.127,14.404
A8: RN15.4 U2.T8 | length 6.4
  TOP w0.127: U2.T8@15.079,23.894 14.883,23.697 14.883,22.898 17.604,20.178 RN15.4@19.057,20.178
A9: RN19.1 U2.R3 | length 19.5
  TOP w0.127: U2.R3@12.816,27.288 12.202,27.288 8.852,23.939 8.852,19.911 13.36,15.404 RN19.1@17.127,15.404
A10: RN4.2 U2.L7 | length 7.9
  TOP w0.127: U2.L7@17.342,27.288 17.542,27.087 17.542,26.571 18.322,25.791 18.441,25.791 19.038,25.195 19.038,23.696 19.343,23.39 19.632,23.101 20.028,22.706 21.208,22.706 RN4.2@21.386,22.528 ; RN4.2@21.386,22.528 21.669,22.528 RN4.2@21.724,22.473 RN4.2@21.386,22.528
A11: RN16.1 U2.R7 | length 11.6
  TOP w0.127: U2.R7@15.079,25.025 14.895,24.841 14.895,24.302 14.44,23.848 14.44,22.706 17.311,19.835 20.06,19.835 20.536,19.359 20.891,19.359 21.11,19.141 RN16.1@21.981,19.141
A12: RN4.4 U2.N7 | length 8.4
  TOP w0.127: U2.N7@16.21,26.157 16.395,25.972 16.395,25.415 17.996,23.814 17.996,23.286 19.237,22.045 20.883,22.045 RN4.4@21.391,21.537 ; RN4.4@21.391,21.537 RN4.4@21.724,21.473 21.66,21.537 RN4.4@21.391,21.537
A13: RN18.4 U2.T3 | length 15.1
  TOP w0.127: U2.T3@12.251,26.722 9.31,23.781 9.31,20.166 13.717,15.758 RN18.4@14.79,15.758
A14: RN16.2 U2.T7 | length 11.7
  TOP w0.127: U2.T7@14.513,24.46 14.009,23.955 14.009,22.528 16.955,19.581 19.901,19.581 20.505,18.978 20.733,18.978 21.071,18.641 RN16.2@21.981,18.641
AVCC: C61.1 R181.2 TP11.1 U1.81 U3.12 U4.1 | length 132.7
  TOP w0.203: U3.12@69.393,41.017 ccw(c69.391,41.171) 69.545,41.171 ; U3.12@69.394,41.018 ccw(c69.029,41.383) 69.545,41.383 ; U3.12@69.545,41.021 69.543,41.019 U3.12@69.393,41.019 69.545,41.171 ; 69.545,41.427 69.545,41.171
  TOP w0.305: v1(23.406,9.525) 23.823,9.108 U1.81@25.56,9.108
  TOP w0.508: R181.2@23.101,7.357 cw(c23.591,7.357) 23.245,7.704 ; R181.2@23.105,7.307 23.105,7.564 v1@23.417,7.876 ; v3(35.953,41.25) 35.953,42.811 38.468,45.326 56.985,45.326 v4(59.69,42.621) ; 69.545,41.427 69.545,42.9 v1(69.545,43.358)
  Singal w0.508: v4(10.147,11.659) 5.753,16.053 5.753,26.758 8.344,29.35 8.344,31.8 6.236,33.909 v3(6.236,39.16) 6.236,39.186 7.112,40.062 9.105,40.062 11.128,42.084 19.04,42.084 20.166,40.959 v4(20.166,40.521)
  POWER w0.508: v4@10.198,11.709 v4(10.147,11.659) 17.238,11.659 19.147,9.749 23.181,9.749 v1(23.406,9.525) 23.417,9.514 v1(23.417,7.885)
  BOTTOM w0.508: v3(6.236,39.16) 6.236,39.821 6.464,40.049 U4.1@7.089,40.049 ; v4(20.166,40.521) 22.081,40.521 22.911,41.351 23.012,41.25 v3(35.953,41.25) ; v4(59.69,42.621) 62.738,42.621 63.162,42.197 68.817,42.197 v1(69.52,42.9) 69.52,43.358 69.52,43.449 71.042,44.972 C61.1@71.042,45.17 72.83,45.17 TP11.1@73,45 ; 70.568,44.497 ccw(c69.895,45.17) C61.1@70.846,45.17 ; C61.1@71.181,45.031 cw(c71.515,44.696) 71.515,45.17 cw(c71.515,45.643) C61.1@71.181,45.308 ; 71.997,45.17 cw(c71.997,43.997) TP11.1@72.826,44.826
BA0: RN17.3 U2.M2 | length 17.2
  TOP w0.127: U2.M2@13.948,29.551 14.148,29.35 14.148,28.834 14.466,28.516 14.466,26.715 11.773,24.023 11.773,21.207 15.025,17.956 16.625,17.956 17.089,17.492 RN17.3@17.752,17.492
BA1: RN4.3 U2.N8 | length 7.5
  TOP w0.127: U2.N8@16.776,25.591 17.333,25.591 18.25,24.674 18.25,23.391 19.343,22.299 21.075,22.299 RN4.3@21.38,21.994 ; RN4.3@21.38,21.994 21.703,21.994 RN4.3@21.724,21.973 RN4.3@21.38,21.994
BA2: RN17.2 U2.M3 | length 15.6
  TOP w0.127: U2.M3@14.513,28.985 14.821,28.677 14.821,26.617 12.281,24.077 12.281,21.41 15.482,18.21 16.984,18.21 17.202,17.992 RN17.2@17.752,17.992